# Altium PCB Cabinet_Device.PcbDoc (part 1 of 6)
Units mil, origin at the board's own origin, x right, y up, seen from the top; angles counter-clockwise.
Board outline 9999.43 x 4132.85 mil, 4 copper layers (Top Layer, Ground, Internal Plane 1, Bottom Layer), stack 30.634 mil thick; 517 components, 341 nets, 1478 pads, 1628 vias.
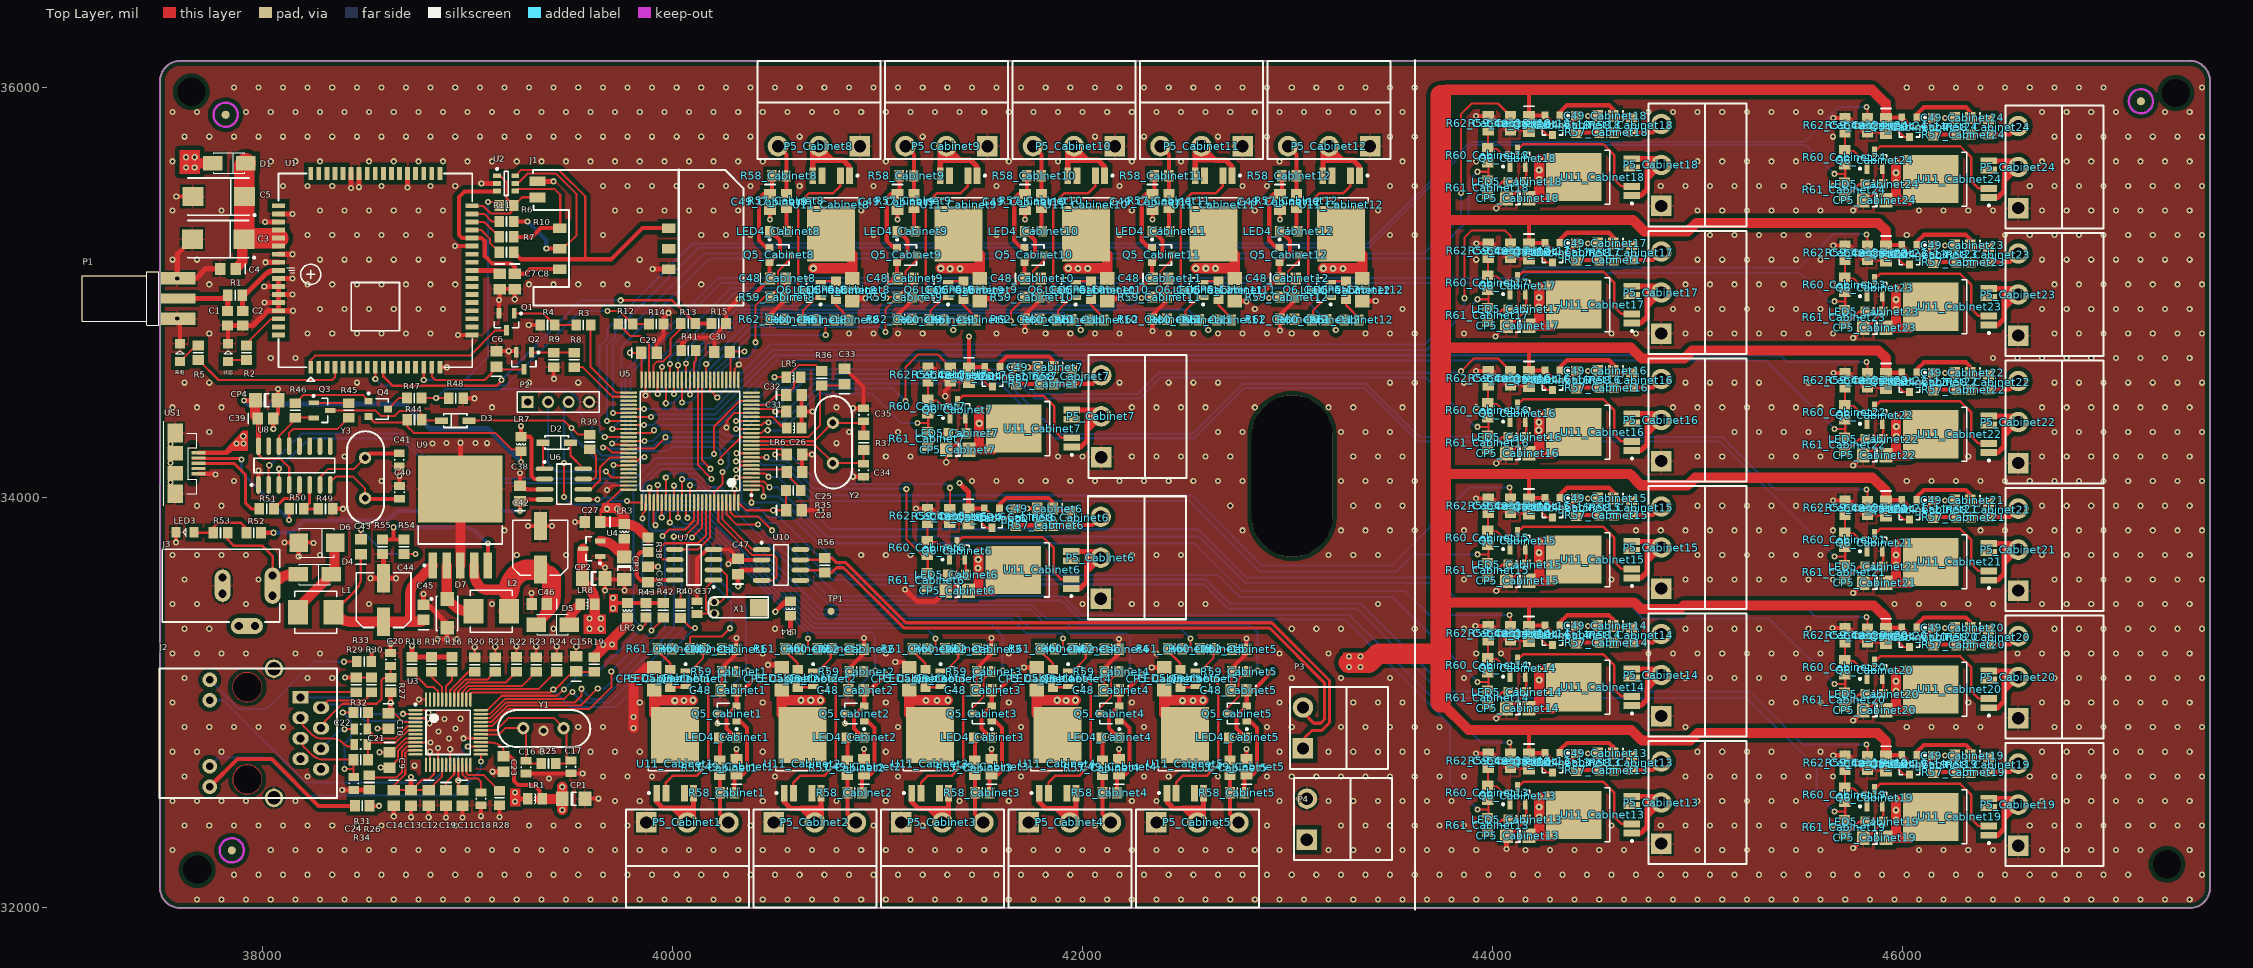
[diagram p0: Top Layer view]
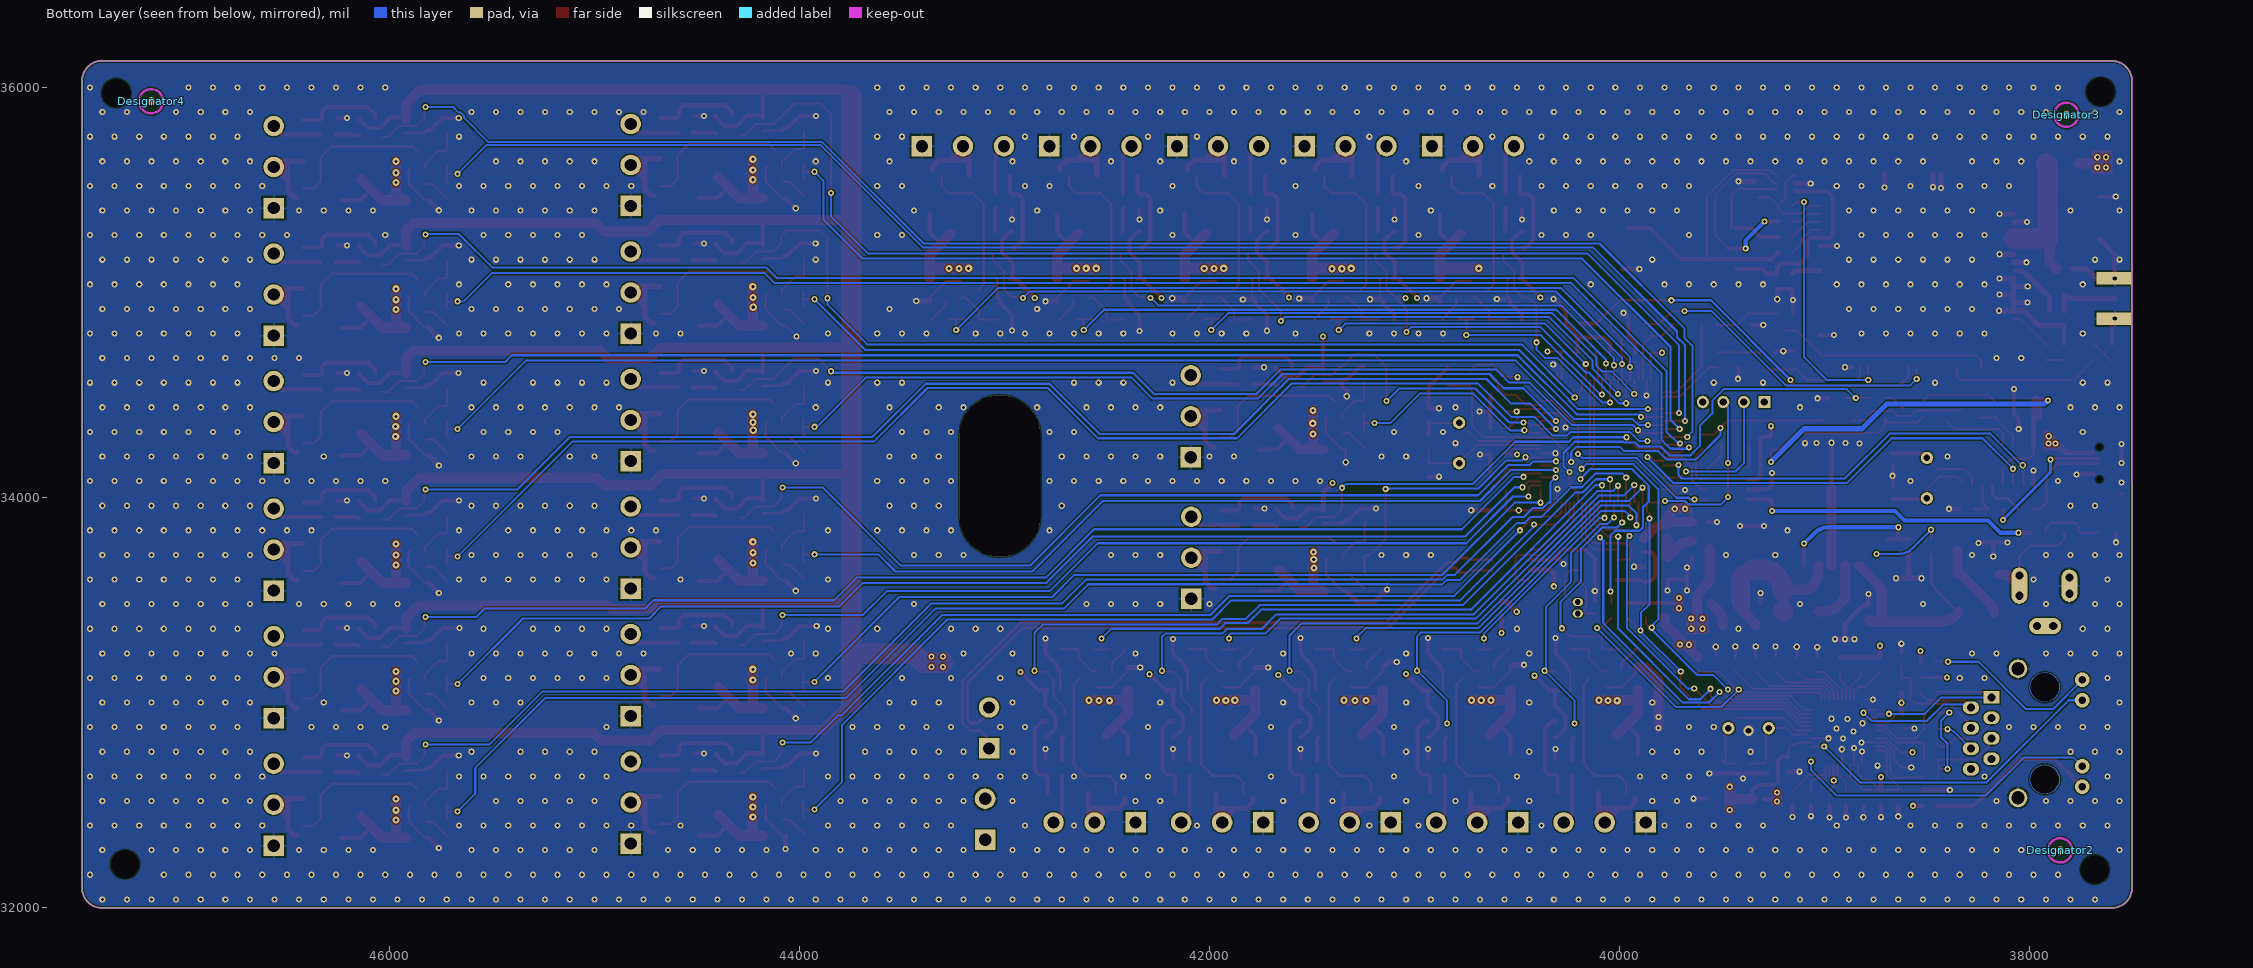
[diagram p1: Bottom Layer view, seen from below]
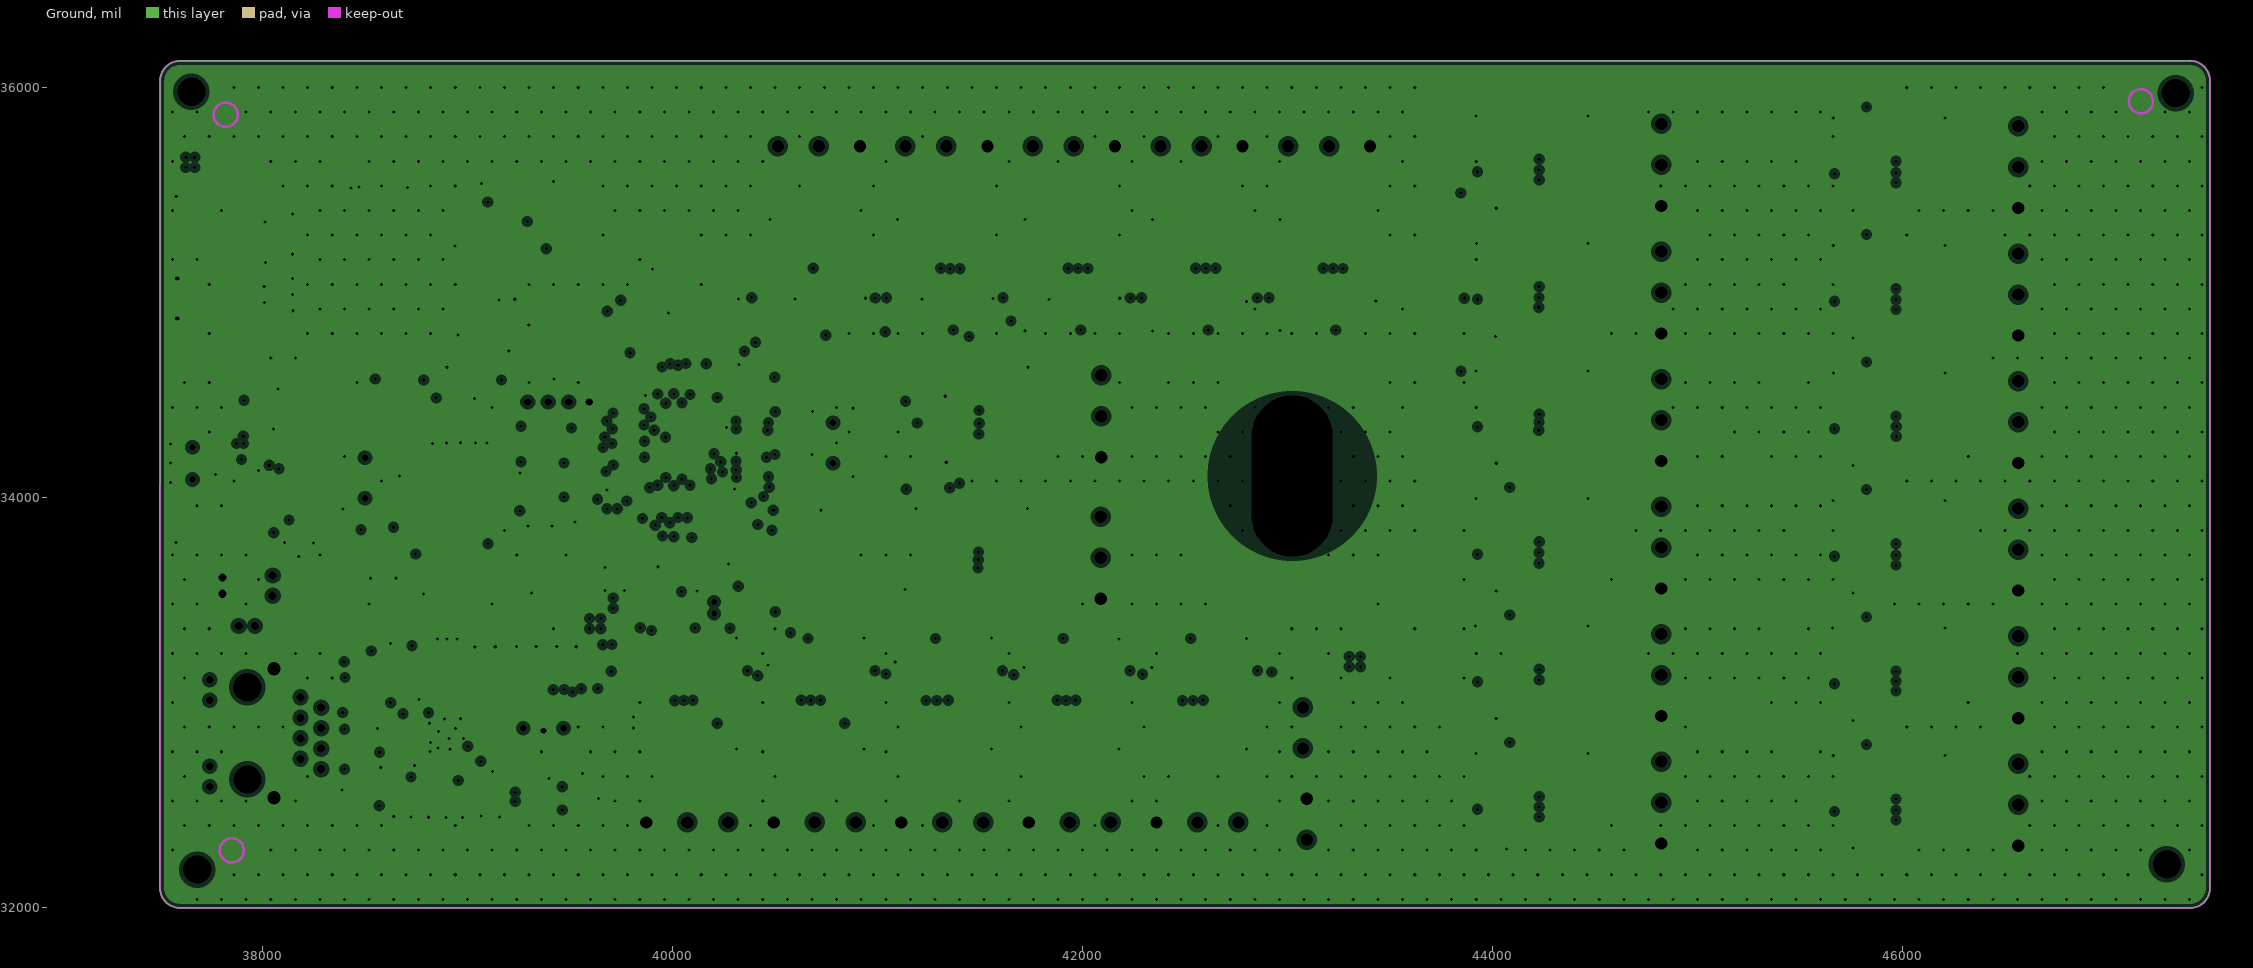
[diagram p2: Ground, clearances drawn from the general rule]
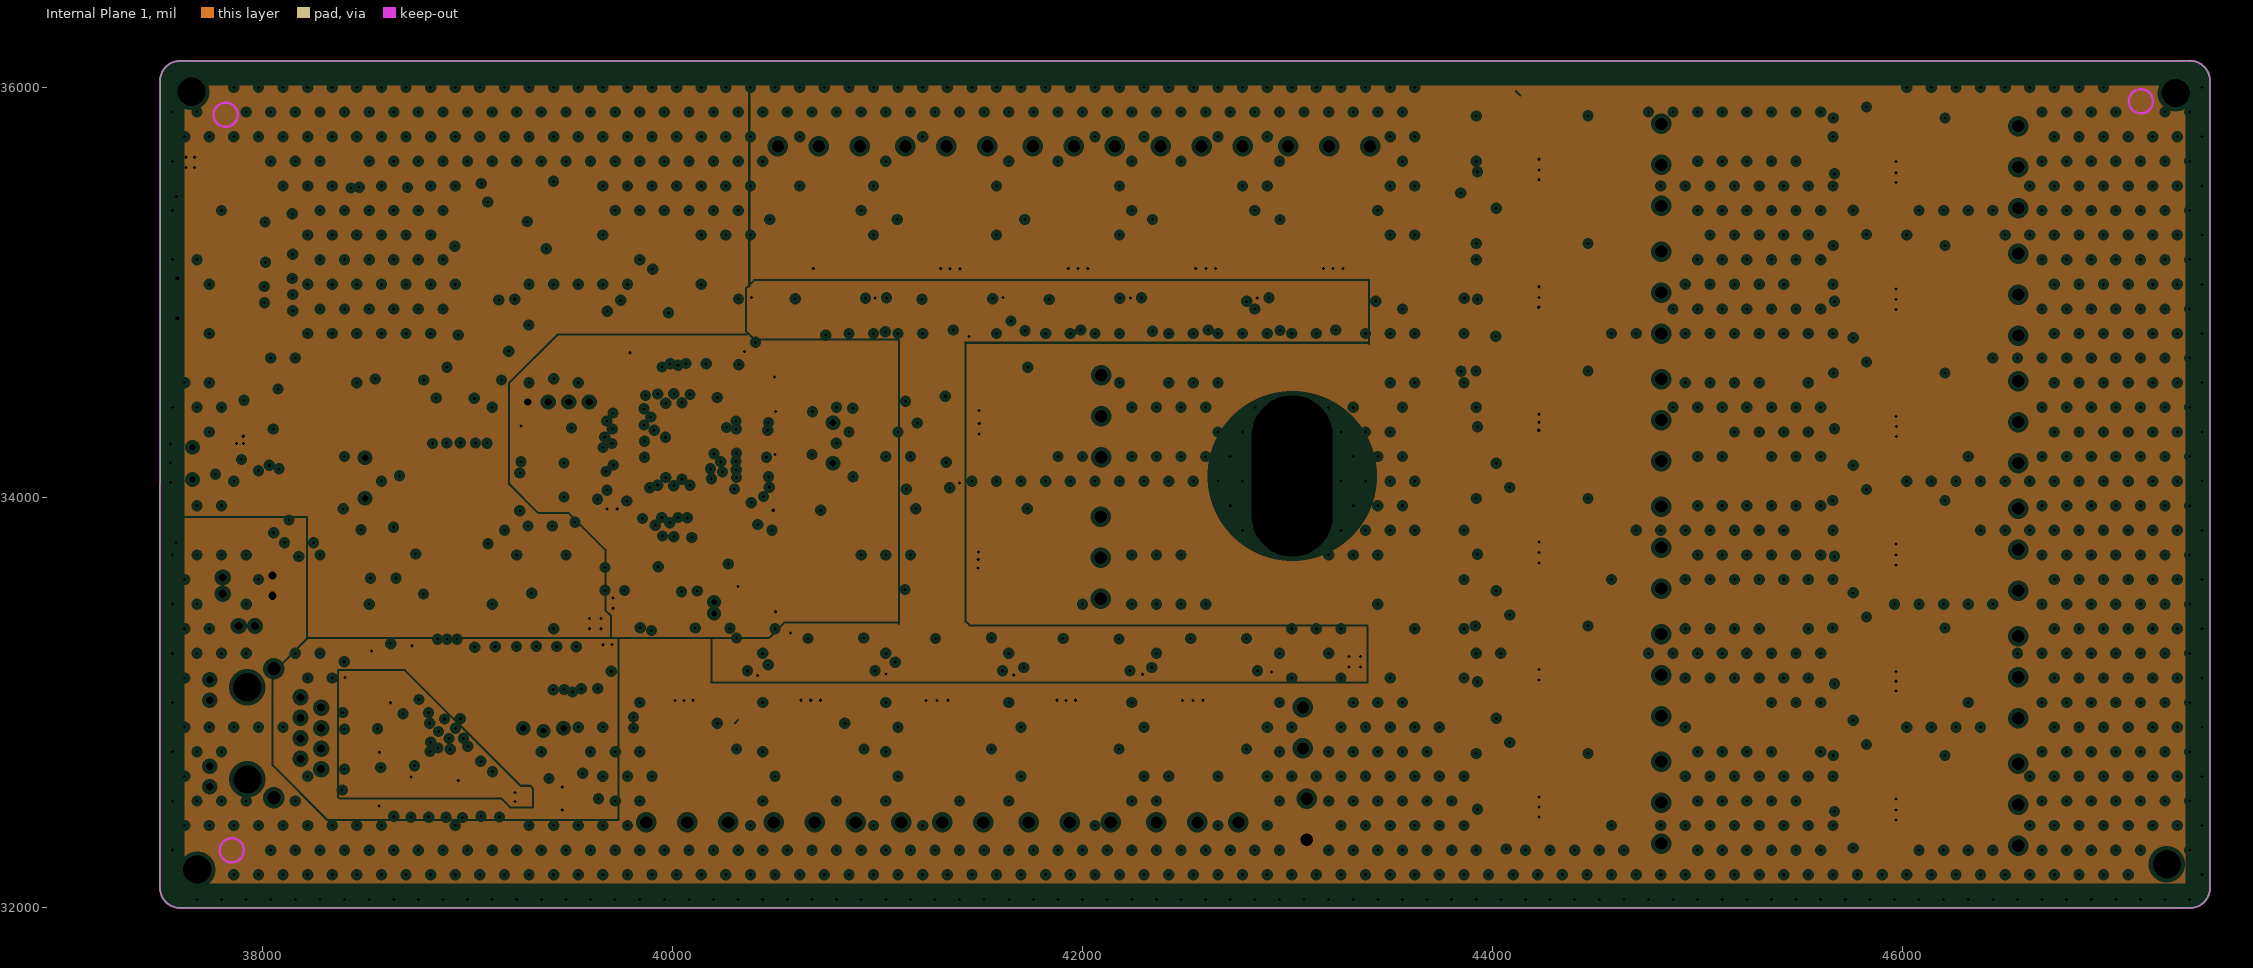
[diagram p3: Internal Plane 1, clearances drawn from the general rule]

## Layer stack, top to bottom
Top Solder: solder mask 0.4, Solder Resist, Dk 3.5
Top Layer: signal copper 1.4
Dielectric 1: core 10, FR-4, Dk 4.2
Ground: plane copper 1.417, net GND
Dielectric 3: core 10, Dk 4.2
Internal Plane 1: plane copper 1.417, net (Multiple Nets)
Dielectric 4: prepreg 5, Dk 4.2
Bottom Layer: signal copper 1.4
Bottom Solder: solder mask 0.4, Solder Resist, Dk 3.5

## Board outline
37499.57,32096.43 ccw(c37598,32096.43) 37598,31998 47400.57,31998 47400.57,31997.57 ccw(c47400.57,32096) 47499,32096 47499,36032 ccw(c47400.57,36032) 47400.57,36130.43 47400.57,36130 37598.43,36130 ccw(c37598.43,36031.57) 37500,36031.57

## Design rules (kind name [scope] priority, off if disabled: settings)
Clearance Clearance_1 [InNamedPolygon('Top Layer-No Net')] p1: gap=20
Clearance "Stitching No Net" [IsStitchingVia and InNet('No Net') vs (IsVia and (Not IsStitchingVia)) Or IsPad] p2: gap=5
Clearance [All] p3: gap=6
DiffPairsRouting [All] p1: maxlimit=10 minlimit=10 mostfreqgap=10 toplayer_minwidth=15 toplayer_maxwidth=15 toplayer_prefwidth=15 bottomlayer_minwidth=15 bottomlayer_maxwidth=15 bottomlayer_prefwidth=15 maxuncoupledlength=500
PlaneClearance [All] p1: clearance=20
PlaneConnect PlaneConnectD_VIA [IsVIA] p1: planeconnectstyle=Direct reliefexpansion=20 reliefentries=4 reliefconductorwidth=10 reliefairgap=10
PlaneConnect PlaneConnectR [All] p2: planeconnectstyle=Relief reliefexpansion=20 reliefentries=4 reliefconductorwidth=10 reliefairgap=10
PolygonConnect PolygonConnectR_SMT [IsSMTPin] p1: connectstyle=Relief reliefconductorwidth=10 reliefentries=4 polygonreliefangle="90 Angle" airgapwidth=10
PolygonConnect PolygonConnectR_Layer [OnLayer('Top') or OnLayer('Bot')] p2: connectstyle=Relief reliefconductorwidth=10 reliefentries=4 polygonreliefangle="90 Angle" airgapwidth=10 // 顶层/底层
PolygonConnect PolygonConnectR_BigCurrent [InPadClass('Big_Cu') vs IsPoly] p3: connectstyle=Direct reliefconductorwidth=10 reliefentries=4 polygonreliefangle="90 Angle" airgapwidth=10 // 大电流
PolygonConnect PolygonConnectR_THRU [IsThruPin vs IsPoly] p4: connectstyle=Relief reliefconductorwidth=10 reliefentries=4 polygonreliefangle="90 Angle" airgapwidth=10 // 焊盘
PolygonConnect PolygonConnectD_VIA [IsVIA vs IsPoly] p5: connectstyle=Direct reliefconductorwidth=10 reliefentries=4 polygonreliefangle="90 Angle" airgapwidth=10 // 过孔/贴片引脚
PolygonConnect PolygonConnectR [All] p6: connectstyle=Relief reliefconductorwidth=10 reliefentries=4 polygonreliefangle="90 Angle" airgapwidth=10
RoomDefinition Cabinet24 [InComponentClass('Cabinet24')] p1: confinementstyle=ConfineIn formatcopy=TRUE lockcomponents=FALSE outline 46986,35301 46986,35923 45651,35923 45651,35301
RoomDefinition Cabinet23 [InComponentClass('Cabinet23')] p2: confinementstyle=ConfineIn formatcopy=TRUE lockcomponents=FALSE outline 46986,34679 46986,35301 45651,35301 45651,34679
RoomDefinition Cabinet22 [InComponentClass('Cabinet22')] p3: confinementstyle=ConfineIn formatcopy=TRUE lockcomponents=FALSE outline 46986,34057 46986,34679 45651,34679 45651,34057
RoomDefinition Cabinet21 [InComponentClass('Cabinet21')] p4: confinementstyle=ConfineIn formatcopy=TRUE lockcomponents=FALSE outline 46986,33435 46986,34057 45651,34057 45651,33435
RoomDefinition Cabinet20 [InComponentClass('Cabinet20')] p5: confinementstyle=ConfineIn formatcopy=TRUE lockcomponents=FALSE outline 46986,32813 46986,33435 45651,33435 45651,32813
RoomDefinition Cabinet19 [InComponentClass('Cabinet19')] p6: confinementstyle=ConfineIn formatcopy=TRUE lockcomponents=FALSE outline 46986,32191 46986,32813 45651,32813 45651,32191
RoomDefinition Cabinet18 [InComponentClass('Cabinet18')] p7: confinementstyle=ConfineIn formatcopy=TRUE lockcomponents=FALSE outline 45245,35311 45245,35933 43910,35933 43910,35311
RoomDefinition Cabinet17 [InComponentClass('Cabinet17')] p8: confinementstyle=ConfineIn formatcopy=TRUE lockcomponents=FALSE outline 45245,34689 45245,35311 43910,35311 43910,34689
RoomDefinition Cabinet16 [InComponentClass('Cabinet16')] p9: confinementstyle=ConfineIn formatcopy=TRUE lockcomponents=FALSE outline 45245,34067 45245,34689 43910,34689 43910,34067
RoomDefinition Cabinet15 [InComponentClass('Cabinet15')] p10: confinementstyle=ConfineIn formatcopy=TRUE lockcomponents=FALSE outline 45245,33445 45245,34067 43910,34067 43910,33445
RoomDefinition Cabinet14 [InComponentClass('Cabinet14')] p11: confinementstyle=ConfineIn formatcopy=TRUE lockcomponents=FALSE outline 45245,32823 45245,33445 43910,33445 43910,32823
RoomDefinition Cabinet13 [InComponentClass('Cabinet13')] p12: confinementstyle=ConfineIn formatcopy=TRUE lockcomponents=FALSE outline 45245,32201 45245,32823 43910,32823 43910,32201
RoomDefinition Cabinet12 [InComponentClass('Cabinet12')] p13: confinementstyle=ConfineIn formatcopy=TRUE lockcomponents=FALSE outline 43513,36136 42891,36136 42891,34801 43513,34801
RoomDefinition Cabinet11 [InComponentClass('Cabinet11')] p14: confinementstyle=ConfineIn formatcopy=TRUE lockcomponents=FALSE outline 42891,36136 42269,36136 42269,34801 42891,34801
RoomDefinition Cabinet10 [InComponentClass('Cabinet10')] p15: confinementstyle=ConfineIn formatcopy=TRUE lockcomponents=FALSE outline 42269,36136 41647,36136 41647,34801 42269,34801
RoomDefinition Cabinet9 [InComponentClass('Cabinet9')] p16: confinementstyle=ConfineIn formatcopy=TRUE lockcomponents=FALSE outline 41647,36136 41025,36136 41025,34801 41647,34801
RoomDefinition Cabinet8 [InComponentClass('Cabinet8')] p17: confinementstyle=ConfineIn formatcopy=TRUE lockcomponents=FALSE outline 41025,36136 40403,36136 40403,34801 41025,34801
RoomDefinition Cabinet7 [InComponentClass('Cabinet7')] p18: confinementstyle=ConfineIn formatcopy=TRUE lockcomponents=FALSE outline 42513,34085 42513,34707 41178,34707 41178,34085
RoomDefinition Cabinet6 [InComponentClass('Cabinet6')] p19: confinementstyle=ConfineIn formatcopy=TRUE lockcomponents=FALSE outline 42510.54,33395.2 42510.54,34017.2 41175.54,34017.2 41175.54,33395.2
RoomDefinition Cabinet5 [InComponentClass('Cabinet5')] p20: confinementstyle=ConfineIn formatcopy=TRUE lockcomponents=FALSE outline 42249,31993 42871,31993 42871,33328 42249,33328
RoomDefinition Cabinet4 [InComponentClass('Cabinet4')] p21: confinementstyle=ConfineIn formatcopy=TRUE lockcomponents=FALSE outline 41627,31993 42249,31993 42249,33328 41627,33328
RoomDefinition Cabinet3 [InComponentClass('Cabinet3')] p22: confinementstyle=ConfineIn formatcopy=TRUE lockcomponents=FALSE outline 41005,31993 41627,31993 41627,33328 41005,33328
RoomDefinition Cabinet2 [InComponentClass('Cabinet2')] p23: confinementstyle=ConfineIn formatcopy=TRUE lockcomponents=FALSE outline 40383,31993 41005,31993 41005,33328 40383,33328
RoomDefinition Cabinet1 [InComponentClass('Cabinet1')] p24: confinementstyle=ConfineIn formatcopy=TRUE lockcomponents=FALSE outline 39761,31993 40383,31993 40383,33328 39761,33328
RoomDefinition 中央处理器 [InComponentClass('中央处理器')] p25: confinementstyle=ConfineIn formatcopy=TRUE lockcomponents=FALSE outline 38968,33346 41036,33346 41036,34770 38968,34770
RoomDefinition 网络接口 [InComponentClass('网络接口')] p26: confinementstyle=ConfineIn formatcopy=TRUE lockcomponents=FALSE outline 37468.87,32451.24 39671,32451.24 39671,33309 37468.87,33309
RoomDefinition 系统电源 [InComponentClass('系统电源')] p27: confinementstyle=ConfineIn formatcopy=TRUE lockcomponents=FALSE outline 37145,33317 39744,33317 39744,34780 37145,34780
RoomDefinition 一键下载 [InComponentClass('一键下载')] p28: confinementstyle=ConfineIn formatcopy=TRUE lockcomponents=FALSE outline 37446,33795 40565,33795 40565,34551 37446,34551
RoomDefinition GSM接口 [InComponentClass('GSM接口')] p29: confinementstyle=ConfineIn formatcopy=TRUE lockcomponents=FALSE outline 37085,34551.34 40365,34551.34 40365,35713 37085,35713
RoomDefinition CAN接口 [InComponentClass('CAN接口')] p30: confinementstyle=ConfineIn formatcopy=TRUE lockcomponents=FALSE outline 40264,33394 40844,33394 40844,33839 40264,33839
RoutingVias [All] p1: holewidth=28 width=50 viastyle="Through Hole" minholewidth=10 minwidth=25 maxholewidth=28 maxwidth=50
SolderMaskExpansion [All] p1: expansion=4
Width [All] p1: maxlimit=100 minlimit=10 preferedwidth=10
26 further rules are at their usual default settings.

## Classes and differential pairs
channel class Door: Cabinet1 Cabinet2 Cabinet3 Cabinet4 Cabinet5 Cabinet6 Cabinet7 Cabinet8 Cabinet9 Cabinet10 Cabinet11 Cabinet12 Cabinet13 Cabinet14 Cabinet15 Cabinet16 Cabinet17 Cabinet18 Cabinet19 Cabinet20 Cabinet21 Cabinet22 Cabinet23 Cabinet24
component class 中央处理器: C25 C26 C27 C28 C29 C30 C31 C32 C33 C34 C35 C36 C37 C38 CP2 CP3 D2 LR2 LR3 LR4 LR5 LR6 R35 R36 R37 R38 R39 R40 R41 R42 R43 TP1 U4 U5 U6 U7 X1 Y2
component class 网络接口: C9 C10 C11 C12 C13 C14 C15 C16 C17 C18 C19 C20 C21 C22 C23 C25 CP1 J2 LR1 R16 R17 R18 R19 R20 R21 R22 R23 R24 R25 R26 R27 R28 R29 R30 R31 R32 R33 R34 U3 Y1
component class 系统电源: C42 C43 C44 C45 D4 D5 D6 D7 J3 L1 L2 LED3 LR8 R50 R51 R54 R55 U9
component class 一键下载: C39 C40 C44 CP4 D3 LR7 P2 Q3 Q4 R41 R42 R46 R47 R48 R49 R50 R51 U8 US1 Y3
component class GSM接口: C1 C2 C3 C4 C5 C7 C8 C9 D1 J1 P1 Q1 Q2 R1 R2 R3 R4 R5 R6 R7 R8 R9 R10 R11 R12 R13 R14 R15 U1 U2 ״̬ 来电
component class CAN接口: P3 P4 R55 U10
component class Cabinet24: C48_Cabinet24 C49_Cabinet24 CP5_Cabinet24 LED5_Cabinet24 LED6_Cabinet24 P5_Cabinet24 Q5_Cabinet24 Q6_Cabinet24 R57_Cabinet24 R58_Cabinet24 R59_Cabinet24 R60_Cabinet24 R61_Cabinet24 R62_Cabinet24 U11_Cabinet24
component class Cabinet23: C48_Cabinet23 C49_Cabinet23 CP5_Cabinet23 LED5_Cabinet23 LED6_Cabinet23 P5_Cabinet23 Q5_Cabinet23 Q6_Cabinet23 R57_Cabinet23 R58_Cabinet23 R59_Cabinet23 R60_Cabinet23 R61_Cabinet23 R62_Cabinet23 U11_Cabinet23
component class Cabinet22: C48_Cabinet22 C49_Cabinet22 CP5_Cabinet22 LED5_Cabinet22 LED6_Cabinet22 P5_Cabinet22 Q5_Cabinet22 Q6_Cabinet22 R57_Cabinet22 R58_Cabinet22 R59_Cabinet22 R60_Cabinet22 R61_Cabinet22 R62_Cabinet22 U11_Cabinet22
component class Cabinet21: C48_Cabinet21 C49_Cabinet21 CP5_Cabinet21 LED5_Cabinet21 LED6_Cabinet21 P5_Cabinet21 Q5_Cabinet21 Q6_Cabinet21 R57_Cabinet21 R58_Cabinet21 R59_Cabinet21 R60_Cabinet21 R61_Cabinet21 R62_Cabinet21 U11_Cabinet21
component class Cabinet20: C48_Cabinet20 C49_Cabinet20 CP5_Cabinet20 LED5_Cabinet20 LED6_Cabinet20 P5_Cabinet20 Q5_Cabinet20 Q6_Cabinet20 R57_Cabinet20 R58_Cabinet20 R59_Cabinet20 R60_Cabinet20 R61_Cabinet20 R62_Cabinet20 U11_Cabinet20
component class Cabinet19: C48_Cabinet19 C49_Cabinet19 CP5_Cabinet19 LED5_Cabinet19 LED6_Cabinet19 P5_Cabinet19 Q5_Cabinet19 Q6_Cabinet19 R57_Cabinet19 R58_Cabinet19 R59_Cabinet19 R60_Cabinet19 R61_Cabinet19 R62_Cabinet19 U11_Cabinet19
component class Cabinet18: C48_Cabinet18 C49_Cabinet18 CP5_Cabinet18 LED5_Cabinet18 LED6_Cabinet18 P5_Cabinet18 Q5_Cabinet18 Q6_Cabinet18 R57_Cabinet18 R58_Cabinet18 R59_Cabinet18 R60_Cabinet18 R61_Cabinet18 R62_Cabinet18 U11_Cabinet18
component class Cabinet17: C48_Cabinet17 C49_Cabinet17 CP5_Cabinet17 LED5_Cabinet17 LED6_Cabinet17 P5_Cabinet17 Q5_Cabinet17 Q6_Cabinet17 R57_Cabinet17 R58_Cabinet17 R59_Cabinet17 R60_Cabinet17 R61_Cabinet17 R62_Cabinet17 U11_Cabinet17
component class Cabinet16: C48_Cabinet16 C49_Cabinet16 CP5_Cabinet16 LED5_Cabinet16 LED6_Cabinet16 P5_Cabinet16 Q5_Cabinet16 Q6_Cabinet16 R57_Cabinet16 R58_Cabinet16 R59_Cabinet16 R60_Cabinet16 R61_Cabinet16 R62_Cabinet16 U11_Cabinet16
component class Cabinet15: C48_Cabinet15 C49_Cabinet15 CP5_Cabinet15 LED5_Cabinet15 LED6_Cabinet15 P5_Cabinet15 Q5_Cabinet15 Q6_Cabinet15 R57_Cabinet15 R58_Cabinet15 R59_Cabinet15 R60_Cabinet15 R61_Cabinet15 R62_Cabinet15 U11_Cabinet15
component class Cabinet14: C48_Cabinet14 C49_Cabinet14 CP5_Cabinet14 LED5_Cabinet14 LED6_Cabinet14 P5_Cabinet14 Q5_Cabinet14 Q6_Cabinet14 R57_Cabinet14 R58_Cabinet14 R59_Cabinet14 R60_Cabinet14 R61_Cabinet14 R62_Cabinet14 U11_Cabinet14
component class Cabinet13: C48_Cabinet13 C49_Cabinet13 CP5_Cabinet13 LED5_Cabinet13 LED6_Cabinet13 P5_Cabinet13 Q5_Cabinet13 Q6_Cabinet13 R57_Cabinet13 R58_Cabinet13 R59_Cabinet13 R60_Cabinet13 R61_Cabinet13 R62_Cabinet13 U11_Cabinet13
component class Cabinet12: C48_Cabinet12 C49_Cabinet12 CP5_Cabinet12 LED5_Cabinet12 LED6_Cabinet12 P5_Cabinet12 Q5_Cabinet12 Q6_Cabinet12 R57_Cabinet12 R58_Cabinet12 R59_Cabinet12 R60_Cabinet12 R61_Cabinet12 R62_Cabinet12 U11_Cabinet12
component class Cabinet11: C48_Cabinet11 C49_Cabinet11 CP5_Cabinet11 LED5_Cabinet11 LED6_Cabinet11 P5_Cabinet11 Q5_Cabinet11 Q6_Cabinet11 R57_Cabinet11 R58_Cabinet11 R59_Cabinet11 R60_Cabinet11 R61_Cabinet11 R62_Cabinet11 U11_Cabinet11
component class Cabinet10: C48_Cabinet10 C49_Cabinet10 CP5_Cabinet10 LED5_Cabinet10 LED6_Cabinet10 P5_Cabinet10 Q5_Cabinet10 Q6_Cabinet10 R57_Cabinet10 R58_Cabinet10 R59_Cabinet10 R60_Cabinet10 R61_Cabinet10 R62_Cabinet10 U11_Cabinet10
component class Cabinet9: C48_Cabinet9 C49_Cabinet9 CP5_Cabinet9 LED5_Cabinet9 LED6_Cabinet9 P5_Cabinet9 Q5_Cabinet9 Q6_Cabinet9 R57_Cabinet9 R58_Cabinet9 R59_Cabinet9 R60_Cabinet9 R61_Cabinet9 R62_Cabinet9 U11_Cabinet9
component class Cabinet8: C48_Cabinet8 C49_Cabinet8 CP5_Cabinet8 LED5_Cabinet8 LED6_Cabinet8 P5_Cabinet8 Q5_Cabinet8 Q6_Cabinet8 R57_Cabinet8 R58_Cabinet8 R59_Cabinet8 R60_Cabinet8 R61_Cabinet8 R62_Cabinet8 U11_Cabinet8
component class Cabinet7: C48_Cabinet7 C49_Cabinet7 CP5_Cabinet7 LED5_Cabinet7 LED6_Cabinet7 P5_Cabinet7 Q5_Cabinet7 Q6_Cabinet7 R57_Cabinet7 R58_Cabinet7 R59_Cabinet7 R60_Cabinet7 R61_Cabinet7 R62_Cabinet7 U11_Cabinet7
component class Cabinet6: C48_Cabinet6 C49_Cabinet6 CP5_Cabinet6 LED5_Cabinet6 LED6_Cabinet6 P5_Cabinet6 Q5_Cabinet6 Q6_Cabinet6 R57_Cabinet6 R58_Cabinet6 R59_Cabinet6 R60_Cabinet6 R61_Cabinet6 R62_Cabinet6 U11_Cabinet6
component class Cabinet5: C48_Cabinet5 C49_Cabinet5 CP5_Cabinet5 LED5_Cabinet5 LED6_Cabinet5 P5_Cabinet5 Q5_Cabinet5 Q6_Cabinet5 R57_Cabinet5 R58_Cabinet5 R59_Cabinet5 R60_Cabinet5 R61_Cabinet5 R62_Cabinet5 U11_Cabinet5
component class Cabinet4: C48_Cabinet4 C49_Cabinet4 CP5_Cabinet4 LED5_Cabinet4 LED6_Cabinet4 P5_Cabinet4 Q5_Cabinet4 Q6_Cabinet4 R57_Cabinet4 R58_Cabinet4 R59_Cabinet4 R60_Cabinet4 R61_Cabinet4 R62_Cabinet4 U11_Cabinet4
component class Cabinet3: C48_Cabinet3 C49_Cabinet3 CP5_Cabinet3 LED5_Cabinet3 LED6_Cabinet3 P5_Cabinet3 Q5_Cabinet3 Q6_Cabinet3 R57_Cabinet3 R58_Cabinet3 R59_Cabinet3 R60_Cabinet3 R61_Cabinet3 R62_Cabinet3 U11_Cabinet3
component class Cabinet2: C48_Cabinet2 C49_Cabinet2 CP5_Cabinet2 LED5_Cabinet2 LED6_Cabinet2 P5_Cabinet2 Q5_Cabinet2 Q6_Cabinet2 R57_Cabinet2 R58_Cabinet2 R59_Cabinet2 R60_Cabinet2 R61_Cabinet2 R62_Cabinet2 U11_Cabinet2
component class Cabinet1: C48_Cabinet1 C49_Cabinet1 CP5_Cabinet1 LED5_Cabinet1 LED6_Cabinet1 P5_Cabinet1 Q5_Cabinet1 Q6_Cabinet1 R57_Cabinet1 R58_Cabinet1 R59_Cabinet1 R60_Cabinet1 R61_Cabinet1 R62_Cabinet1 U11_Cabinet1
differential pair CAN: +CAN_P -CAN_N
differential pair USB1: +USB1_P -USB1_N
